# Altium PCB TinyShuffle v.0b.PcbDoc (part 1 of 2)
Units mm, origin at the board's own origin, x right, y up, seen from the top; angles counter-clockwise.
Board outline 40 x 90 mm, 4 copper layers (Top Layer, GND, VCC, Bottom Layer), stack 1.561 mm thick; 110 components, 55 nets, 394 pads, 331 vias.
Unrouted connection lines stored in the file: 21.
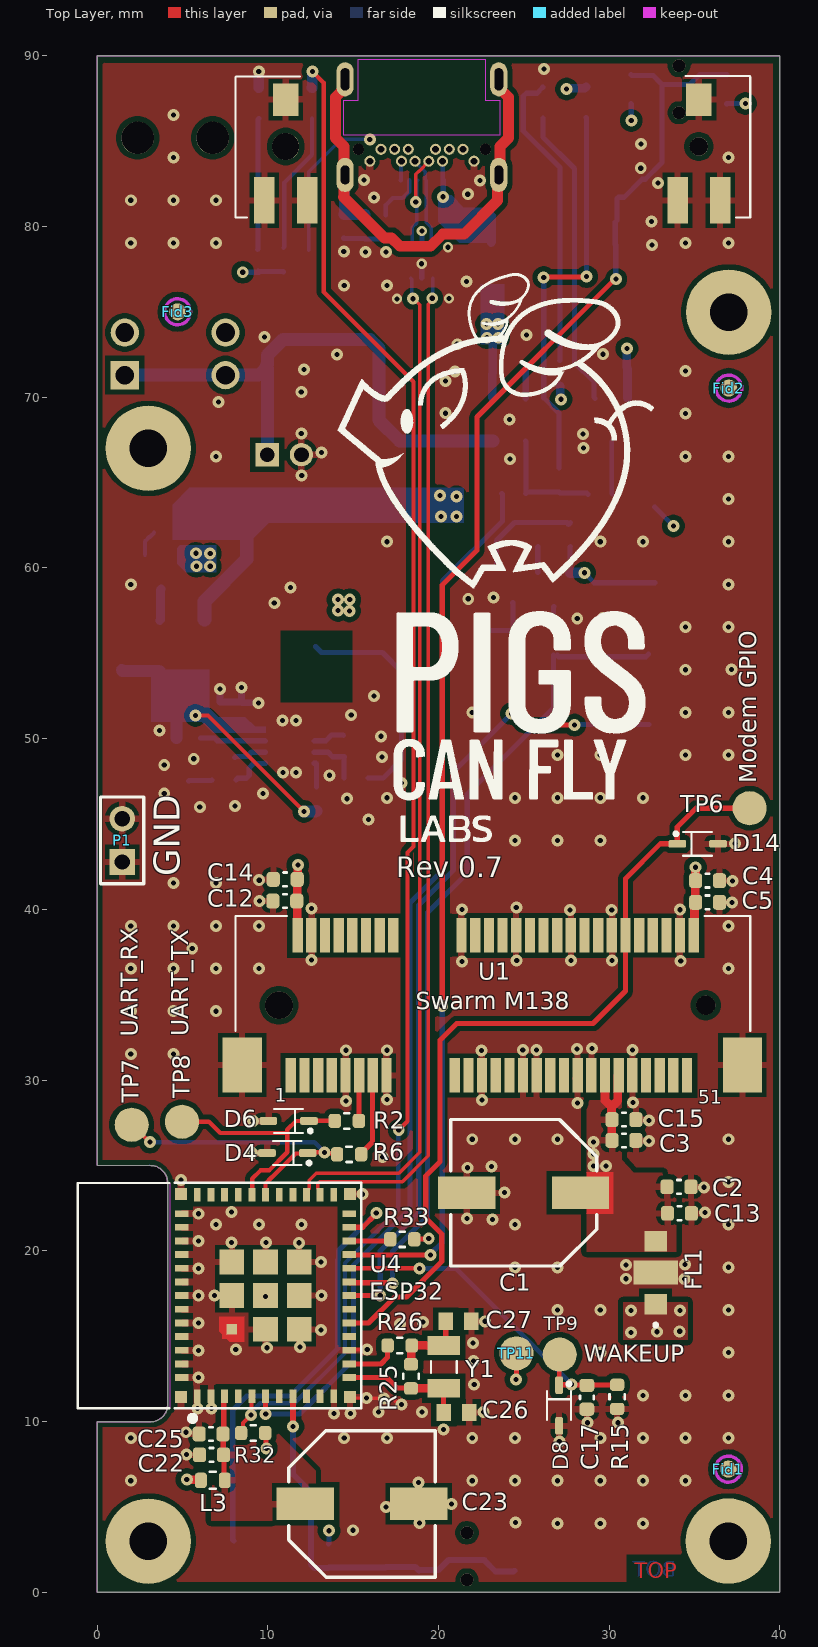
[diagram p0: Top Layer view]
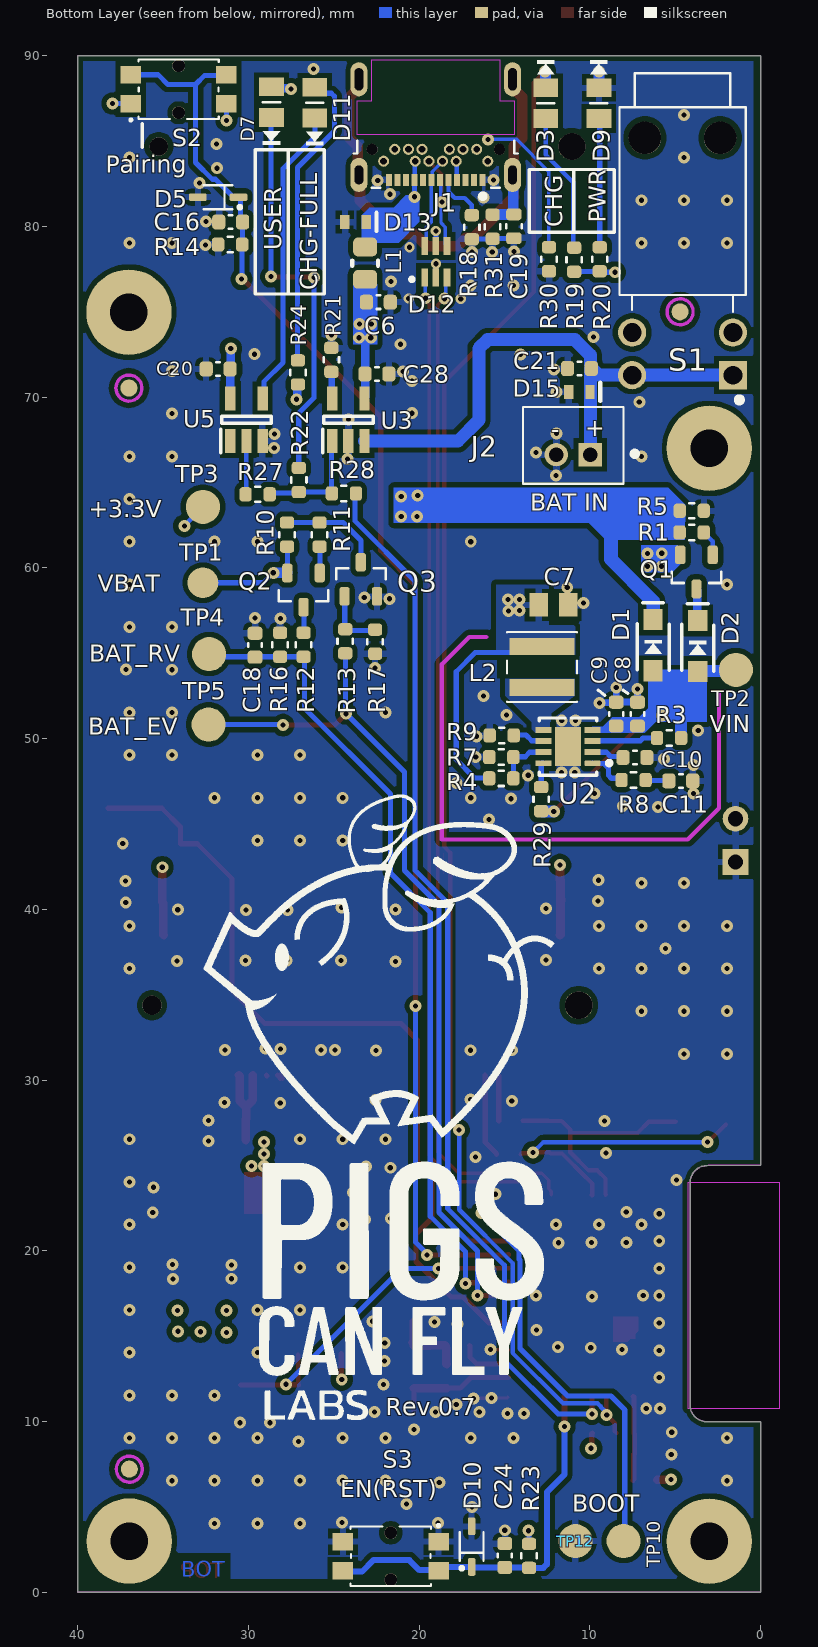
[diagram p1: Bottom Layer view, seen from below]
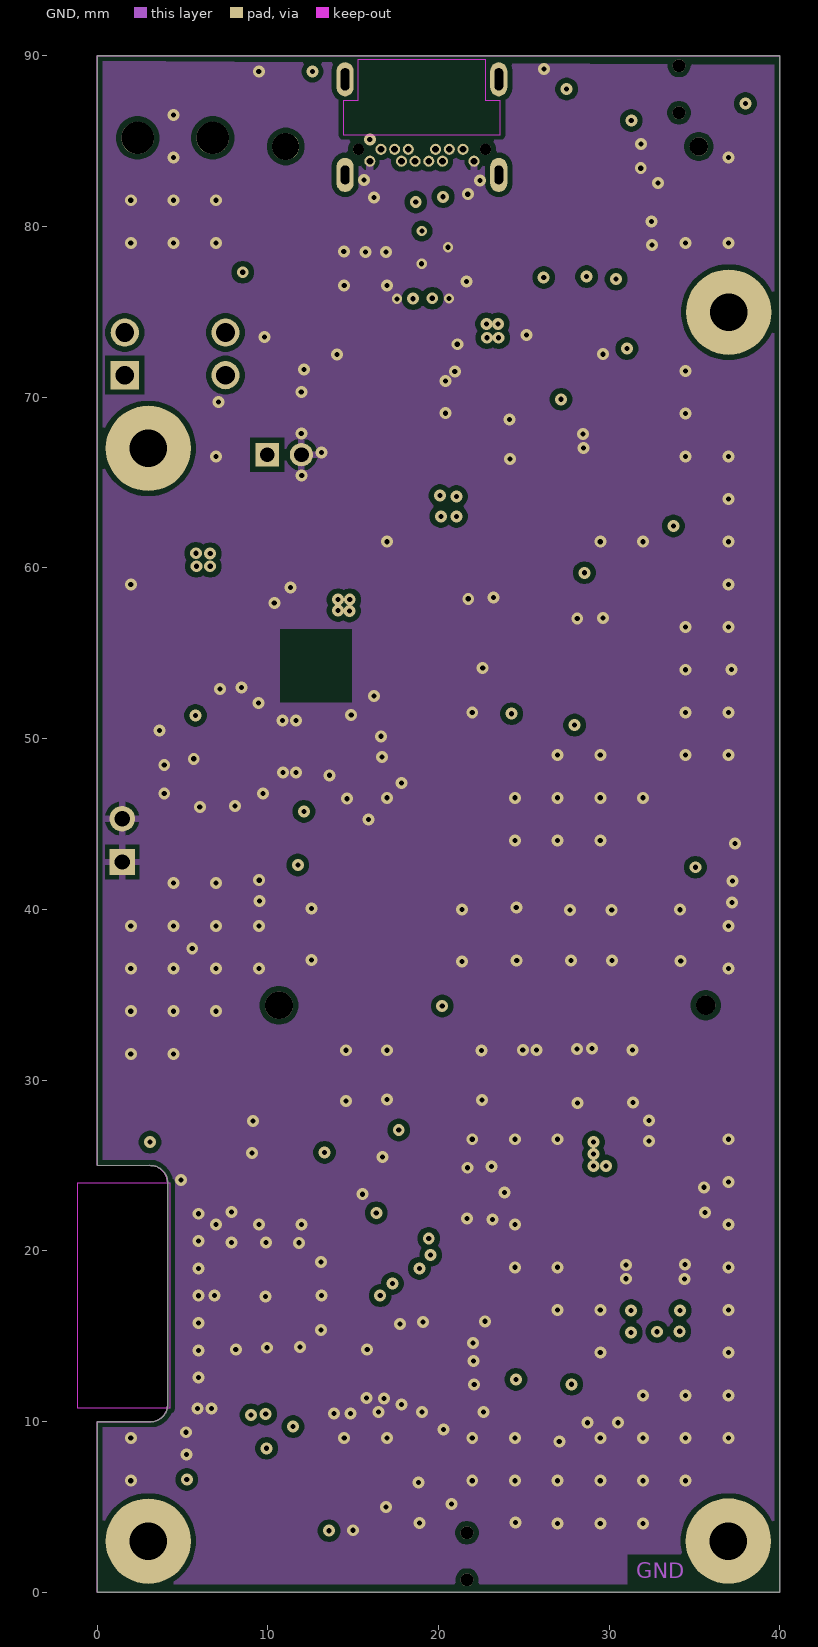
[diagram p2: GND]
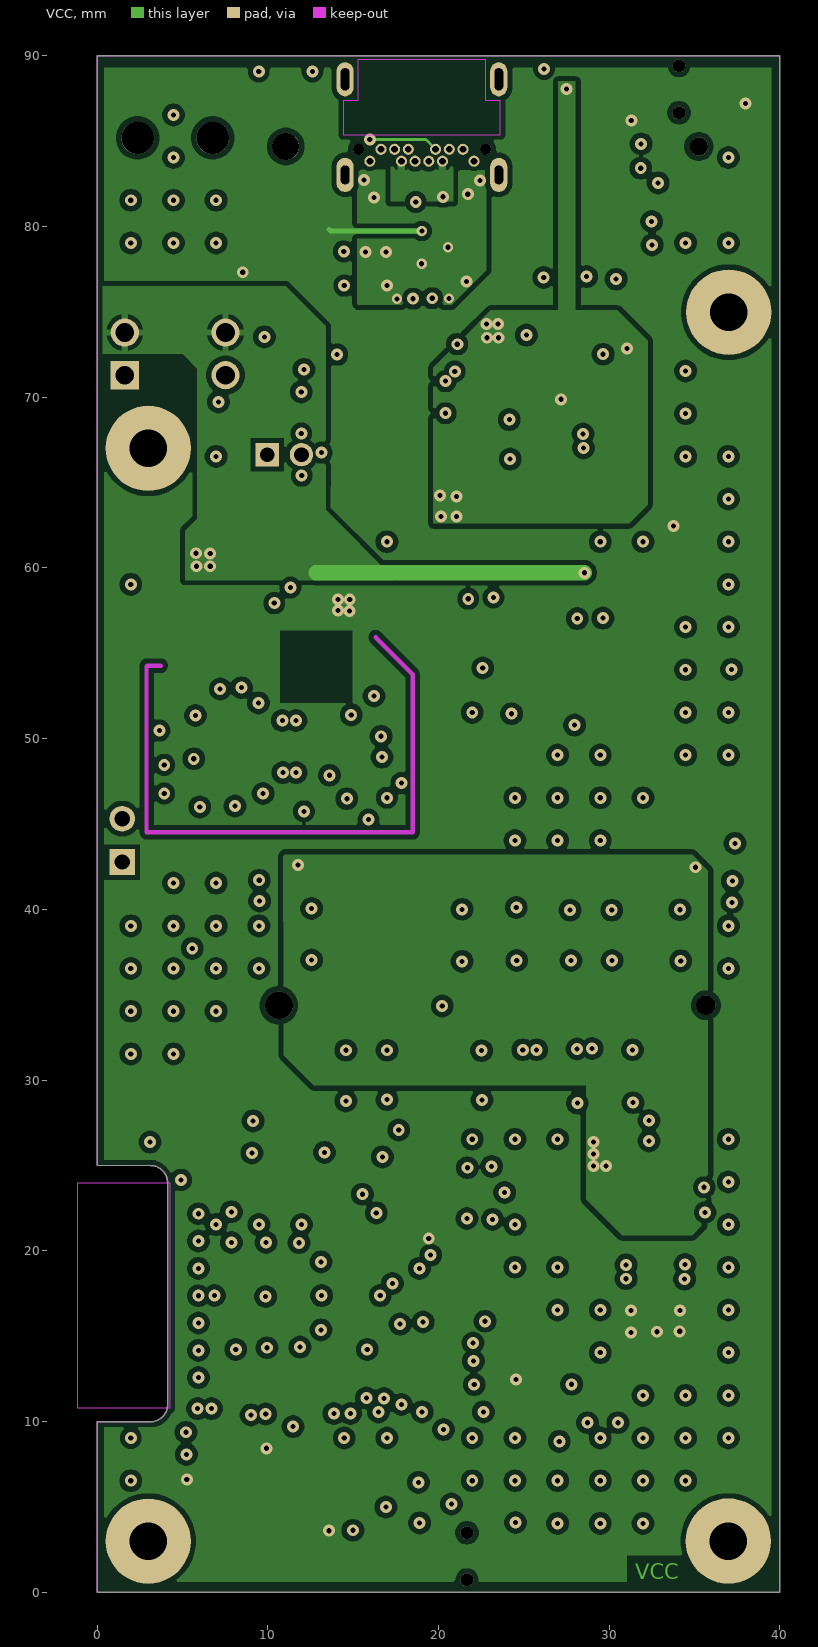
[diagram p3: VCC]
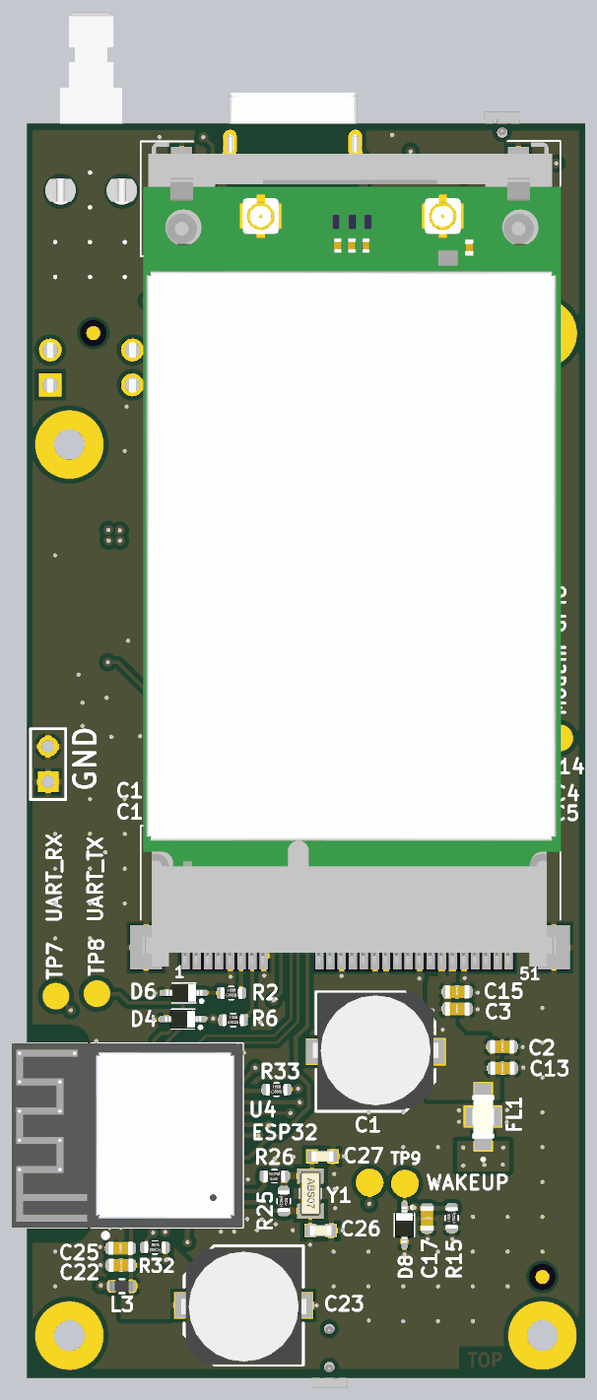
[diagram p5: 3D render of the assembled board from above, using the file's embedded part models]
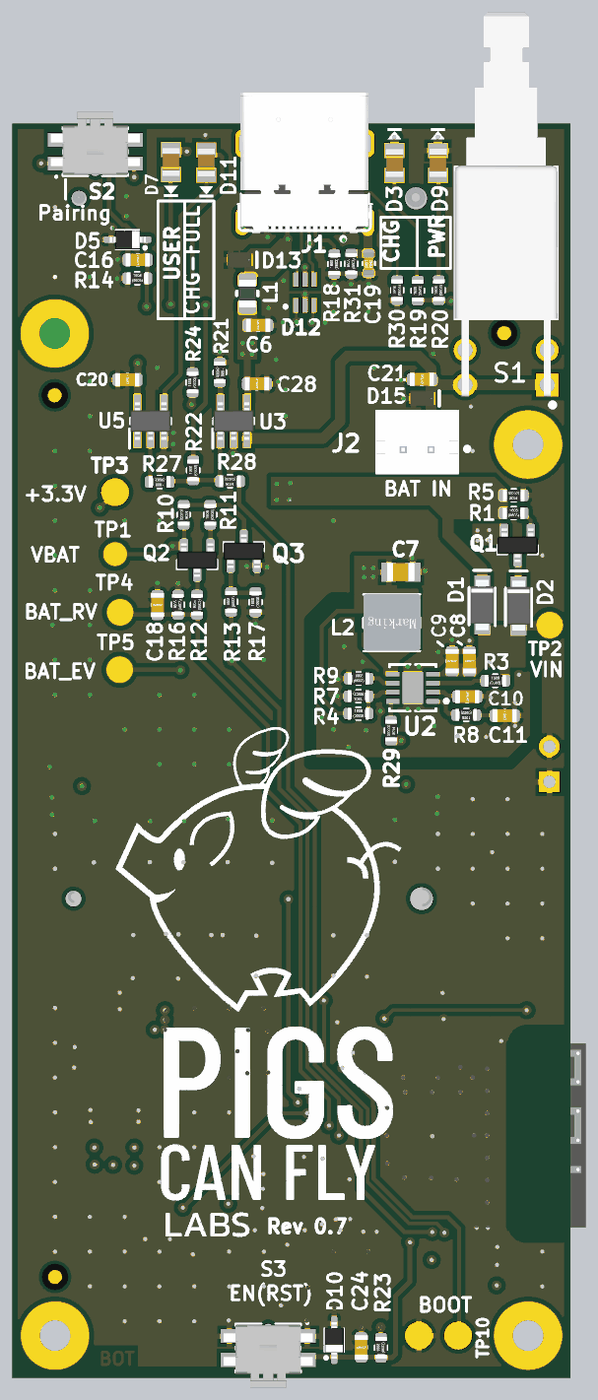
[diagram p6: 3D render of the assembled board from below, using the file's embedded part models]

## Layer stack, top to bottom
Top Solder: solder mask 0.0102, Solder Resist, Dk 3.5
Top Layer: signal copper 0.0356
Dielectric 2: prepreg 0.11, PP-017, Dk 4.3
GND: signal copper 0.035
Dielectric 1: core 1.2, FR-4, Dk 4.2
VCC: signal copper 0.035
Dielectric 3: prepreg 0.11, PP-017, Dk 4.3
Bottom Layer: signal copper 0.0356
Bottom Solder: solder mask 0.0102, Solder Resist, Dk 3.5

## Board outline
0,0 0,10 3.142,9.989 ccw(c3.142,10.981) 4.133,10.981 4.132,10.981 4.132,24.003 ccw(c3.14,24.003) 3.14,24.995 0,25 0,90 40,90 40,0

## Design rules (kind name [scope] priority, off if disabled: settings)
AcuteAngle [not( IsVia )] p1 off: minimum=6.00000000000000E+0001 checktracksonly=FALSE
BoardOutlineClearance [All] p1: gap=0.2 ignorepadtopadclearanceinfootprint=FALSE
Clearance Clearance_2 [InPolygon] p1: gap=0.305 ignorepadtopadclearanceinfootprint=TRUE
Clearance Clearance_1 [InComponent('U1')] p2: gap=0 ignorepadtopadclearanceinfootprint=TRUE
Clearance [All] p3: gap=0.15 ignorepadtopadclearanceinfootprint=TRUE
ComponentClearance ComponentClearance_1 [InComponent('U1') AND InComponent('J2')] p1: gap=0.254 collisioncheckmode=3 verticalgap=0.254 showdistances=FALSE
ComponentClearance ComponentClearance_BAT [HasFootprint('353 ADAFRUIT BAT') vs HasFootprint('SMA')] p2: gap=0 collisioncheckmode=3 verticalgap=0 showdistances=FALSE
ComponentClearance ComponentClearance_ButCap [HasFootprint('BUTTON CUP') vs HasFootprint('800AWSP9M7QE')] p3: gap=0 collisioncheckmode=3 verticalgap=0 showdistances=FALSE
ComponentClearance ComponentClearance_Display [HasFootprint('I2C DISPLAY') vs HasFootprint('9774035243R')] p4: gap=0.254 collisioncheckmode=3 verticalgap=0 showdistances=FALSE
ComponentClearance ComponentClearance_Modem [InComponent('U2') vs InComponent('U3')] p5: gap=0 collisioncheckmode=3 verticalgap=0 showdistances=FALSE
ComponentClearance [All] p6: gap=0.256 collisioncheckmode=3 verticalgap=0.256 showdistances=TRUE
DiffPairsRouting [InDifferentialPair('USB')] p1: maxlimit=0.295 minlimit=0.127 mostfreqgap=0.295 toplayer_mingap=0.295 toplayer_minwidth=0.2 toplayer_maxwidth=0.2 toplayer_prefwidth=0.2 bottomlayer_mingap=0.295 bottomlayer_minwidth=0.2 bottomlayer_maxwidth=0.2 bottomlayer_prefwidth=0.2 impedanceprofiledriven=TRUE impedanceprofileid={432340D7-3107-4733-A8A2-B41FC37192D8} impedanceprofilevalue=90.000000 maxuncoupledlength=12.7
HoleSize [All] p1: absolutevalues=TRUE maxlimit=6.3 minlimit=0.2 maxpercent=80.000 minpercent=20.000
HoleToHoleClearance [All] p1: gap=0 allowstackedmicrovias=TRUE
MinimumSolderMaskSliver MinimumSolderMaskSliver_1 [HasFootprint('ADXL345BCCZRL')  OR HasFootprint ( 'RF_VHF_JAE_MM60-52B1-B1-R850_MM60-EZH039-B5-R850_W_2005_MPCIE_CARD') or HasFootprint ('CP2104') or HasFootprint ('SON65P200X200X80-7N')OR HasFootprint ('AMPHENOL_124019772112A')] p1: minsoldermaskwidth=0.1 // SILVER  0.1MM FOR FP
MinimumSolderMaskSliver [All] p2: minsoldermaskwidth=0.1
PlaneClearance [All] p1: clearance=0.2
PlaneConnect [All] p1: planeconnectstyle=Direct reliefexpansion=0.508 reliefentries=4 reliefconductorwidth=0.254 reliefairgap=0.254
PolygonConnect PolygonConnect_3 [InComponent('FL1')] p1: connectstyle=Direct reliefconductorwidth=0.254 reliefentries=4 polygonreliefangle="90 Angle" airgapwidth=0.254
PolygonConnect PolygonConnect_2 [IsVia] p2: connectstyle=Direct reliefconductorwidth=0.254 reliefentries=4 polygonreliefangle="90 Angle" airgapwidth=0.254
PolygonConnect PolygonConnect_1 [InComponent('U2')    or InComponent('L2')] p3: connectstyle=Direct reliefconductorwidth=0.254 reliefentries=4 polygonreliefangle="90 Angle" airgapwidth=0.254
PolygonConnect [All] p4: thpad.connectstyle=Relief thpad.reliefconductorwidth=0.406 thpad.reliefentries=4 thpad.polygonreliefangle="90 Angle" thpad.airgapwidth=0.254 smdpad.connectstyle=Relief smdpad.reliefconductorwidth=0.381 smdpad.reliefentries=4 smdpad.polygonreliefangle="90 Angle" smdpad.airgapwidth=0.254 via.connectstyle=Direct via.reliefconductorwidth=0.254 via.reliefentries=4 via.polygonreliefangle="90 Angle" via.airgapwidth=0.254
RoutingVias [All] p1: holewidth=0.3 width=0.7 viastyle="Through Hole" minholewidth=0.3 minwidth=0.5 maxholewidth=0.3 maxwidth=0.7
SilkToSilkClearance [All] p1: silktosilkclearance=0.15
SilkToSolderMaskClearance [IsPad] p1: minsilkscreentomaskgap=0.15 clearancetoexposedcopper=TRUE
SolderMaskExpansion [All] p1: expansion=0.05 istentingtop=FALSE
Width [All] p1: maxlimit=2.54 minlimit=0.127 preferedwidth=0.203 checkconnectedcopper=TRUE
21 further rules are at their usual default settings.

## Classes and differential pairs
differential pair USB: +USB_P -USB_N
differential pair USBC: +USBC_P -USBC_N

## Components (designator, comment, footprint, x,y, rotation, side; value= is the part's Value field where it differs from the comment)
C1 "APXA6R3ARA221MH7" CHEMI-H70 24.989,23.391 r180 top
C2 "GRM188R61E106MA73J" CAPC160X80X90L35L 34.087,23.749 r180 top
C3 "CL10B104KB8NNWC" CAPC160X80X90L35L 30.861,26.467 r180 top
C4 "GRM188R61E106MA73J" CAPC160X80X90L35L 35.763,41.681 r180 top
C5 "CL10B104KB8NNWC" CAPC160X80X90L35L 35.763,40.411 r180 top
C6 "GRM188R61E475KE11D" CAPC160X80X90L35L 22.392,75.565 r0 bottom
C7 "CL21A226MOQNNNE" CAPC2012X135N 12.136,57.834 r0 bottom value=22uF
C8 "CL10A105KA8NNNC" CAPC160X80X90L35L 7.214,51.435 r90 bottom
C9 "GRM188R61E106MA73J" CAPC160X80X90L35L 8.458,51.435 r270 bottom
C10 "CL10B103KB8NNNC" CAPC160X80X90L35L 7.366,48.895 r0 bottom
C11 "CL10C561JB8NFNC" CAPC160X80X90L35L 4.674,47.523 r0 bottom
C12 "CL10B104KB8NNWC" CAPC160X80X90L35L 10.998,40.488 r180 top
C13 "GRM188R61E106MA73J" CAPC160X80X90L35L 34.112,22.2 r180 top
C14 "GRM188R61E106MA73J" CAPC160X80X90L35L 11.024,41.758 r0 top
C15 "CL10B104KB8NNWC" CAPC160X80X90L35L 30.861,27.686 r180 top
C16 "CL10B104KB8NNWC" CAPC160X80X90L35L 31.039,80.264 r180 bottom
C17 "CL10B104KB8NNWC" CAPC160X80X90L35L 28.689,11.42 r90 top
C18 "GCM1885C1H103JA16D" CAPC160X80X90L35L 29.616,55.474 r270 bottom
C19 "0.1uF" "0603 CAP" 14.453,80.01 r270 bottom
C20 "CL10A105KA8NNNC" CAPC160X80X90L35L 31.775,71.653 r0 bottom
C21 "CL10A105KA8NNNC" CAPC160X80X90L35L 10.617,71.679 r0 bottom
C22 "CL10A105KA8NNNC" CAPC160X80X90L35L 6.706,8.052 r180 top
C23 "APXA6R3ARA221MH7" CHEMI-H70 15.519,5.182 r0 top
C24 "CL10A105KA8NNNC" CAPC160X80X90L35L 14.986,2.159 r90 bottom
C25 "CL10B104KB8NNWC" CAPC160X80X90L35L 6.68,9.271 r180 top
C26 "GRM1885C1H120JA01J" "0603 CAPACITOR" 21.052,10.539 r0 top value=12pF
C27 "GRM1885C1H120JA01J" "0603 CAPACITOR" 21.179,15.873 r0 top value=12pF
C28 "CL10B104KB8NNWC" CAPC160X80X90L35L 22.478,71.361 r0 bottom
D1 "MBR120ESFT3G" SODFL3616X98N 6.299,55.474 r270 bottom
D2 "MBR120ESFT3G" SODFL3616X98N 3.683,55.423 r270 bottom
D3 "598-8170-107F" LEDC2012X70N 12.593,87.222 r270 bottom value=GREEN
D4 "CDSOD323-T03SC" SOD2513X120N 11.146,25.728 r180 top
D5 "CDSOD323-T03SC" SOD2513X120N 31.775,81.712 r0 bottom
D6 "CDSOD323-T03SC" SOD2513X120N 11.222,27.608 r180 top
D7 "598-8130-107F" LEDC2012X70N 28.651,87.285 r90 bottom value=ORANGE
D8 "CDSOD323-T03SC" SOD2513X120N 27.063,10.938 r270 top
D9 "598-8110-107F" LEDC2012X70N 9.474,87.224 r270 bottom value=RED
D10 "CDSOD323-T03SC" SOD2513X120N 16.925,2.677 r90 bottom
D11 "598-8170-107F" LEDC2012X70N 26.111,87.249 r90 bottom value=GREEN
D12 "USBUF02W6" SOT323-6L 19.025,77.927 r90 bottom
D13 "ESDA7P60-1U1M" ST_1610 23.724,80.258 r0 bottom
D14 "CDSOD323-T03SC" SOD2513X120N 35.179,43.84 r0 top
D15 "ESDA7P60-1U1M" ST_1610 10.617,70.307 r0 bottom
Fid1 "fid" "FIDUCIAL MARK 1" 36.977,7.212 r90 top
Fid2 "fid" "FIDUCIAL MARK 1" 37,70.534 r90 top
Fid3 "fid" "FIDUCIAL MARK 1" 4.719,75 r90 top
FL1 "YFF31HC2A105M" FIL_YFF31HC2A105M 32.721,18.723 r90 top
J1 "UJ31-CH-G2-SMT-TR" CUI_UJ31-CH-G2-SMT-TR 16.281,82.71 r0 bottom
J2 "SWR201-NRTN-S02-SA-WH" JST_B2B-PH-K-S(LF)(SN) 10.973,67.183 r180 bottom
L1 "600R@100M" "0805 Ferrite Bead 2012" 23.165,77.851 r90 bottom value=600R
L2 "SRP4020FA-2R0M" IND_SRP4020FA-1R0M 12.797,54.202 r90 bottom
L3 "BLM18PG121SH1D" "0603 Ferrite Bead 1608" 6.782,6.553 r180 top
P1 "GND PIN" HDR1X2 1.473,42.774 r90 top
Q1 "DMP2120U-7" SOT23-3P95_237X112L50X40L 3.759,59.766 r270 bottom
Q2 "DMP2004K-7" SOT23-3P95_237X112L50X40L 26.772,58.699 r270 bottom
Q3 "2N7002,215" SOT23-3P95_237X112L50X40L 23.419,59.334 r90 bottom
R1 "RC0603FR-0710RL" RESC160X80X45L30L 4.039,62.078 r180 bottom
R2 "RC0603FR-0722RL" RESC160X80X45L30L 14.63,27.61 r0 top
R3 "RT0603DRD0710KL" RESC160X80X45L30L 5.359,50.038 r180 bottom
R4 "RC0603FR-0775KL" RESC160X80X45L30L 15.189,47.676 r180 bottom
R5 "RC0603FR-07100KL" RESC160X80X45L30L 4.032,63.348 r0 bottom
R6 "RC0603FR-0722RL" RESC160X80X45L30L 14.764,25.654 r0 top
R7 "RC0603FR-0724KL" RESC160X80X45L30L 15.189,48.92 r0 bottom
R8 "RC0603FR-0733KL" RESC160X80X45L30L 7.442,47.574 r0 bottom
R9 "RC0603FR-07300KL" RESC160X80X45L30L 15.164,50.19 r180 bottom
R10 "RC0603FR-07100KL" RESC160X80X45L30L 27.737,61.951 r270 bottom
R11 "RC0603FR-0710RL" RESC160X80X45L30L 25.832,61.951 r90 bottom
R12 "RC0603FR-0715KL" RESC160X80X45L30L 26.772,55.499 r90 bottom
R13 "RC0603FR-074K7P" RESC160X80X45L30L 24.333,55.702 r90 bottom
R14 "RT0603DRD0710KL" RESC160X80X45L30L 31.07,78.943 r180 bottom
R15 "RT0603DRD0710KL" RESC160X80X45L30L 30.467,11.446 r90 top
R16 "RC0603FR-0747KL" RESC160X80X45L30L 28.143,55.499 r90 bottom
R17 "RC0603FR-07100KL" RESC160X80X45L30L 22.581,55.677 r90 bottom
R18 "RC0603FR-075K1L" RESC160X80X45L30L 16.916,79.959 r90 bottom
R19 "RC0603FR-071KP" RESC160X80X45L30L 10.922,78.054 r90 bottom
R20 "RC0603FR-071KP" RESC160X80X45L30L 9.423,78.08 r90 bottom
R21 "RC0603FR-072K4L" RESC160X80X45L30L 25.146,72.187 r270 bottom
R22 "RC0603FR-071KP" RESC160X80X45L30L 27.051,65.151 r90 bottom
R23 "RT0603DRD0710KL" RESC160X80X45L30L 13.564,2.134 r90 bottom
R24 "RC0603FR-071KP" RESC160X80X45L30L 27.102,71.45 r90 bottom
R25 "AC0603FR-071ML" RESC160X80X45L30L 18.39,12.649 r270 top
R26 "CRCW06030000Z0EA" RESC160X80X45L30L 17.729,14.453 r180 top
R27 "RT0603DRD0710KL" RESC160X80X45L30L 29.464,64.313 r0 bottom
R28 "RC0603FR-071KP" RESC160X80X45L30L 24.409,64.364 r0 bottom
R29 "RC0603FR-07100KL" RESC160X80X45L30L 12.852,46.457 r270 bottom
R30 "RC0603FR-075K1L" RESC160X80X45L30L 12.399,78.08 r90 bottom
R31 "RC0603FR-07330RL" RESC160X80X45L30L 15.697,79.985 r90 bottom
R32 "RT0603DRD0710KL" RESC160X80X45L30L 9.144,9.328 r0 top
R33 "RT0603DRD0710KL" RESC160X80X45L30L 17.882,20.676 r0 top
S1 "PB400EEQX" SW_PB400EEQX 1.626,71.287 r0 bottom
S2 "436351045816" 436351045816 34.087,88.036 r0 bottom
S3 "436351045816" 436351045816 21.666,2.112 r180 bottom
TP1 "TPAD" PAD_2.0R#1 32.664,59.131 r180 bottom
TP2 "TPAD" PAD_2.0R#2 1.448,54.026 r180 bottom
TP3 "TPAD" PAD_2.0R#3 32.664,63.576 r270 bottom
TP4 "TPAD" PAD_2.0R#2 32.304,54.949 r90 bottom
TP5 "TPAD" PAD_2.0R#2 32.334,50.825 r90 bottom
TP6 "TPAD" PAD_2.0R#2 38.227,45.923 r0 top
TP7 "TPAD" PAD_2.0R#2 2.032,27.381 r0 top
TP8 "TPAD" PAD_2.0R#2 4.978,27.559 r0 top
TP9 "TPAD" PAD_2.0R#3 27.102,13.919 r0 top
TP10 "TPAD" PAD_2.0R#3 8.026,3 r270 bottom
TP11 "TPAD" PAD_2.0R#3 24.562,13.995 r0 top
TP12 "TPAD" PAD_2.0R#3 10.846,2.997 r90 bottom
U1 "M138_MODEM" XCVR_M138_MODEM 10.653,34.382 r0 top locked
U2 "RT8070ZQW" QFN65P300X300X80_HS-9L 11.285,49.533 r90 bottom
U3 "MCP73831T-2ACI/OT" SOT95P270X145-5N 24.148,68.683 r90 bottom
U4 "ESP32-C3-MINI-1-N4" XCVR_ESP32-C3-MINI-1-N4 7.169,17.376 r90 top
U5 "SN74LVC1G04DBVT" SOT95P270X145-5N 30.117,68.683 r90 bottom
Y1 "ABS07-32.768KHZ-T" XTAL_ABS07-32.768KHZ-T 20.315,13.206 r270 top

## Footprints (in the part's own frame and the unit in brackets; to place one, negate y for a bottom-side part, rotate by r counter-clockwise, add the part's x,y. Pads: shape width x height; smd on the part's side, far side on the other; paste and mask are expansions set on the pad)
"0603 CAP" [mm]
  rrect50% 0.7x0.9 smd paste-0.05 mask+0.04: 1(-0.7,0) 2(0.7,0)
  silkscreen extent -0.12,-0.45 0.12,0.45, body extent -0.77,-0.4 0.83,0.4, height 0.8
"0603 CAPACITOR" [mm]
  rect 0.85x1 smd paste-0.05: 1(-0.75,0) 2(0.75,0)
  body extent -0.8,-0.4 0.8,0.4, height 0.81
"0603 Ferrite Bead 1608" [mm]
  rrect50% 0.7x0.9 smd paste-0.05 mask+0.04: 1(-0.7,0) 2(0.7,0)
  silkscreen extent -0.18,-0.5 0.18,0.5, body extent -0.77,-0.4 0.83,0.4, height 0.8
"0805 Ferrite Bead 2012" [mm]
  rrect50% 1.1x1.4 smd paste-0.05 mask+0.07: 1(-0.95,0) 2(0.95,0)
  silkscreen extent -0.15,-0.75 0.15,0.75, body extent -1,-0.62 1,0.63, height 0.85
436351045816 [mm]
  rect 1.2x1 smd: 1(2.8,0.85) 2(2.8,-0.85) 3(-2.8,0.85) 4(-2.8,-0.85)
  round 0.75 hole 0.75 unplated: ""(0,-1.375) ""(0,1.375)
  silkscreen extent -2.35,-1.75 2.85,1.85, body extent -3.2,-2.85 3.2,1.65, height 1.65
CAPC160X80X90L35L [mm] "EIA 0603 (1608) T0.9 1.6x0.8x0.9"
  rrect50% 0.77x0.87 smd: 1(-0.7,0) 2(0.7,0)
  silkscreen extent -0.1,-0.4 0.1,0.4, body extent -0.87,-0.48 0.87,0.47, height 0.9
CAPC2012X135N [mm]
  rect 1.1x1.38 smd: 1(-0.863,0) 2(0.863,0)
  body extent -1,-0.68 1,0.67, height 1.22
CHEMI-H70 [mil]
  rect 132x75 smd paste-1.97: 1(-131,0) 2(131,0)
  silkscreen extent -168,-169 169,169, body extent -177,-167 177,160, height 266
CUI_UJ31-CH-G2-SMT-TR [mm]
  rect 0.35x0.7 smd: A1(0,0) A2(0.5,0) A3(1,0) A4(1.5,0) A5(2,0) A6(2.5,0) A7(3,0) A8(3.5,0) A9(4,0) A10(4.5,0) A11(5,0) A12(5.5,0)
  round 0.65 hole 0.4 mask+0.05: B1(5.8,-1.11) B12(-0.3,-1.11)
  round 0.65 hole 0.4 mask+0.15: B2(5.15,-1.81) B3(4.35,-1.81) B4(3.95,-1.11) B5(3.55,-1.81) B6(3.15,-1.11) B7(2.35,-1.11) B8(1.95,-1.81) B9(1.55,-1.11) B10(1.15,-1.81) B11(0.35,-1.81)
  oval 1x2 hole 0.5 slot 1.1 at 90 deg: SH1(-1.75,-0.31) SH2(7.25,-0.31)
  oval 1x2 hole 0.5 slot 1.3 at 90 deg: SH3(-1.75,-5.91) SH4(7.25,-5.91)
  round 0.65 hole 0.65 unplated: ""(-0.975,-1.81) ""(6.475,-1.81)
  Keep-Out Layer region: 7.35,-4.66 6.5,-4.66 6.5,-7.06 -1,-7.06 -1,-4.66 -1.85,-4.66 -1.85,-2.667 7.35,-2.667
  Keep-Out Layer region: 7.35,-4.66 6.5,-4.66 6.5,-7.06 -1,-7.06 -1,-4.66 -1.85,-4.66 -1.85,-2.667 7.35,-2.667
  silkscreen extent -2.07,-2.31 7.57,1.02, body extent -2.09,-9.56 7.62,0.44, height 4.5
"FIDUCIAL MARK 1" [mm] "Fiducial mark for automatic assembly"
  round 1 smd far side paste-1 mask+0.45: 0(0,0)
  round 1 smd paste-1 mask+0.45: 0(0,0)
  Top Layer keep-out circle w0.2: c0,0 r0.762
  Bottom Layer keep-out circle w0.2: c0,0 r0.762
FIL_YFF31HC2A105M [mm]
  rect 1.2x1.3 smd paste-0.03: 1(-1.85,0) 3(1.85,0)
  rect 1.4x2.6 smd paste-2 mask+0: 2(0,0)
  silkscreen extent -3.17,-0.1 -2.97,0.1, body extent -1.6,-0.8 1.6,0.8, height 1.3
HDR1X2 [mm] "Connector; Header; 2 Position"
  rect 1.5x1.5 hole 0.9: 1(0,0)
  round 1.5 hole 0.9: 2(2.54,0)
  silkscreen extent -1.27,-1.27 3.81,1.27
IND_SRP4020FA-1R0M [mm]
  rect 1x3.8 smd: 1(-1.2,0) 2(1.2,0)
  silkscreen extent -2.05,-2.05 2.05,2.05, body extent -2.02,-2.07 2.08,2.03, height 1.96
JST_B2B-PH-K-S(LF)(SN) [mm]
  rect 1.368x1.368 hole 0.86: 1(1,-0.55)
  round 1.368 hole 0.86: 2(-1,-0.55)
  silkscreen extent -2.95,-2.25 3.75,2.25, body extent -2.95,-2.25 2.95,2.25, height 6.01
LEDC2012X70N [mm]
  rect 1.1x1.45 smd paste-0.05: A(0.9,0) C(-0.9,0)
  silkscreen extent -2.5,-0.5 0,0.5, body extent -1,-0.62 1,0.62, height 0.71
PAD_2.0R#1 [mm] "Pad, SMD, R=2.0 mm"
  round 1.8 smd paste-1 mask-0.05: 1(0,0)
  body extent -0.99,-1 1,1, height 0.05
PAD_2.0R#2 [mm] "Pad, SMD, R=2.0 mm"
  round 2 smd paste-1 mask-0.05: 1(0,0)
  body extent -0.99,-1 1,1, height 0.05
PAD_2.0R#3 [mm] "Pad, SMD, R=2.0 mm"
  round 2 smd paste-1: 1(0,0)
  body extent -0.99,-1 1,1, height 0.05
QFN65P300X300X80_HS-9L [mm] "QFN, 8-Leads, Body 3,00x3,00mm, Pitch 0,65mm, Thermal Pad 2,23x1,48mm, IPC High Density"
  rrect50% 0.35x0.93 smd mask+0.05: 1(-0.975,-1.435)
  rect 0.35x0.93 smd mask+0.05: 2(-0.325,-1.435) 3(0.325,-1.435) 4(0.975,-1.435) 5(0.975,1.435) 6(0.325,1.435) 7(-0.325,1.435) 8(-0.975,1.435)
  rect 2.3x1.5 smd mask+0.05: 9(0,0)
  silkscreen extent -1.68,-2.54 1.68,1.68, body extent -1.53,-1.52 1.52,1.53, height 0.8
RESC160X80X45L30L [mm] "EIA 0603 (1608) T0.45 1.6x0.85x0.45"
  rrect50% 0.72x0.83 smd: 1(-0.705,0) 2(0.705,0)
  silkscreen extent -0.15,-0.45 0.15,0.45, body extent -0.77,-0.42 0.78,0.43, height 0.45
SOD2513X120N [mm]
  rrect50% 1.04x0.46 smd: A(1.19,0) K(-1.19,0)
  silkscreen extent -1.37,-0.7 0.84,0.7, body extent -1.33,-0.67 1.27,0.68, height 1.1
SODFL3616X98N [mm]
  rect 1.24x1.12 smd: 1(-1.5,0) 2(1.5,0)
  silkscreen extent -2.49,-0.94 1.48,0.94, body extent -1.8,-0.82 1.8,0.82, height 0.98
SOT23-3P95_237X112L50X40L [mm] "SOT-23-3 2.9x1.3x1.1 p0.95 (JEDEC TO-236AB)"
  rrect50% 1.1x0.6 smd: 1(-1,0.95) 2(-1,-0.95) 3(1,0)
  silkscreen extent 0,-1.45 0.65,1.45, body extent -1.2,-1.45 1.2,1.45, height 0.91
SOT95P270X145-5N [mm]
  rect 1.4x0.6 smd paste-0.05: 1(-1.25,0.95) 2(-1.25,0) 3(-1.25,-0.95) 4(1.25,-0.95) 5(1.25,0.95)
  silkscreen extent -1.95,-1.45 0.2,1.5, body extent -1.35,-1.45 1.35,1.45, height 1.45